# Altium PCB PDM.PcbDoc (part 4 of 4)
Units mm, origin at the board's own origin, x right, y up, seen from the top; angles counter-clockwise.
Board outline 90.17 x 95.89 mm, 6 copper layers (Top Layer (SIG), Layer 1 (GND), Layer 3 (SIG), Layer 4 (PWR), Layer (GND), Bottom Layer (SIG)), stack 0.816 mm thick; 331 components, 196 nets, 1111 pads, 817 vias.
Unrouted connection lines stored in the file: 2.
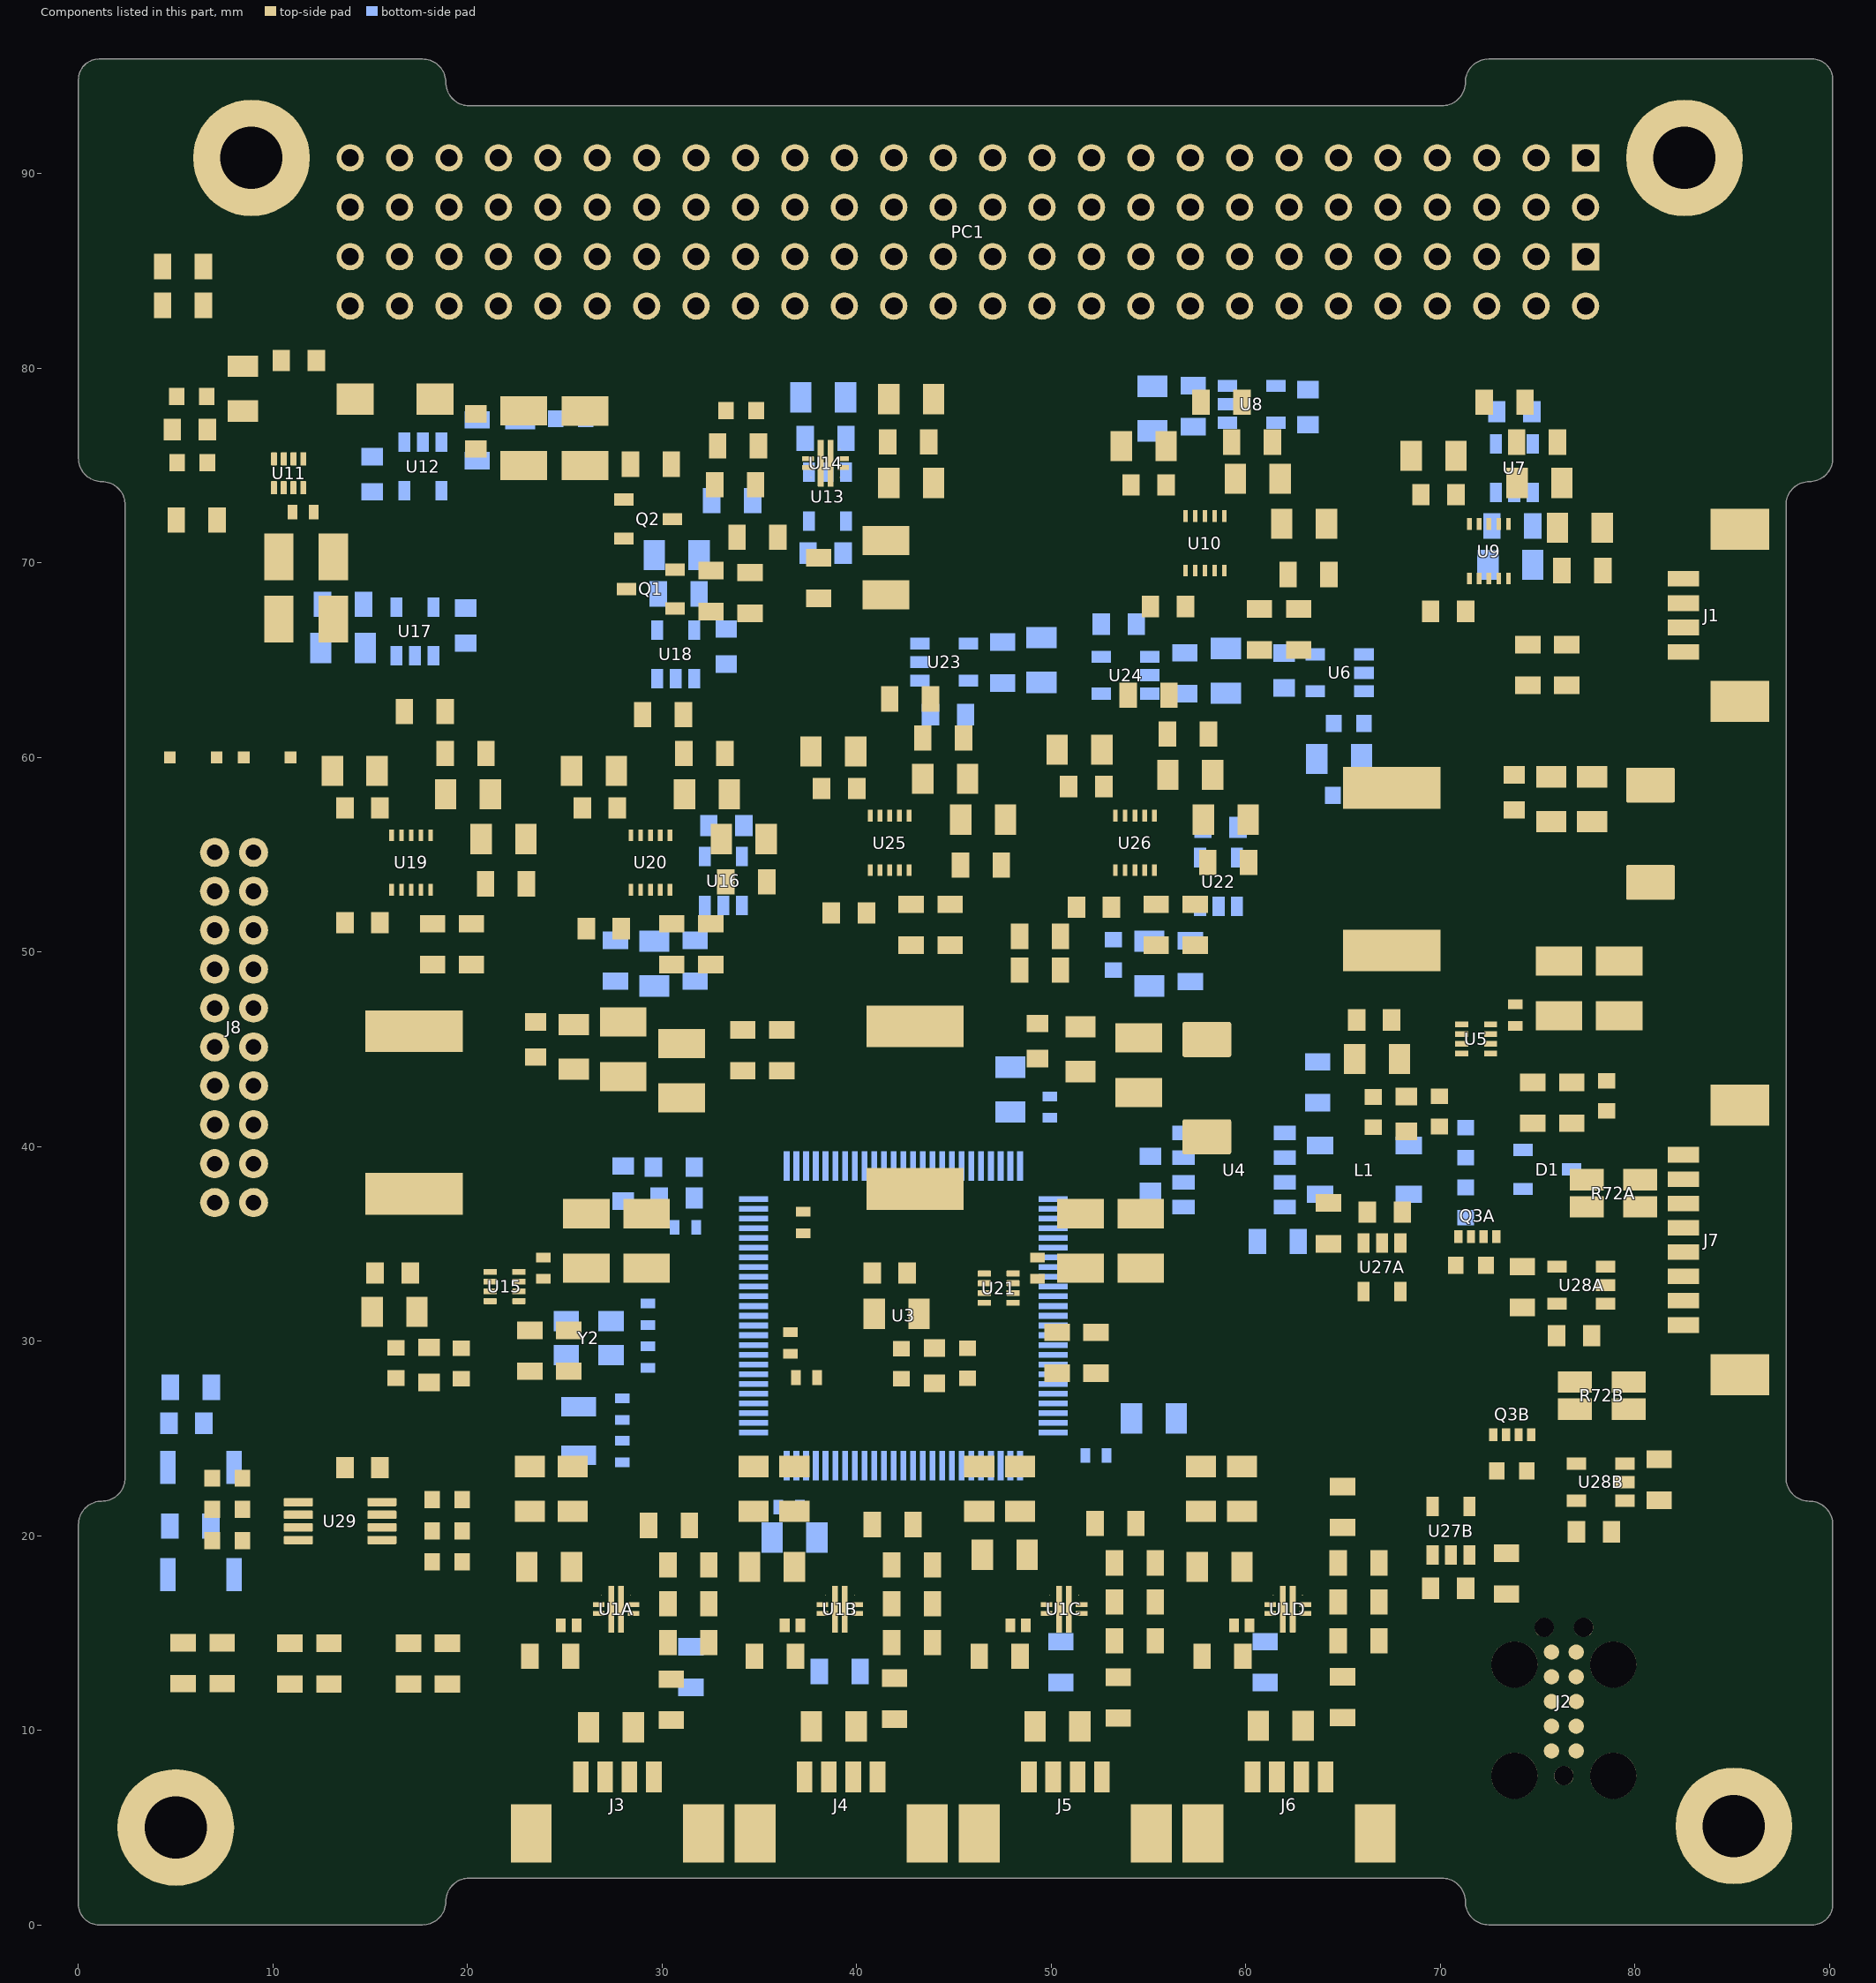
[diagram p8: the components of this part, seen from the top]

## Polygon pours and split planes (outlines as drawn) (continued)
+5V_CH1 on Top Layer (SIG) "Topside Ground" (solid, pour order 24): 40.375,56.7 39.15,57.925 39.15,60.55 38.35,61.35 38.35,63 40.1,63 40.82,62.28 40.82,56.7 40.687,56.7
NetQ3B_D on Top Layer (SIG) "Topside Ground" (solid, pour order 59): 75.725,26.125 75.725,27.2 77.95,27.2 77.95,28.875 71.95,28.875 71.95,26.125
NetJ7_1 on Top Layer (SIG) "Topside Ground" (solid, pour order 58): 80.75,32.475 78.8,30.525 78.8,27.35 80.55,27.35 80.55,29.275 81.7,30.425 83.3,30.425 83.3,32.475 82.553,32.475
NetJ7_7 on Top Layer (SIG) "Topside Ground" (solid, pour order 45): 79.4,37.75 83.3,37.75 83.3,40.25 79.4,40.25 79.4,38.28
VPANEL on Top Layer (SIG) "Topside Ground" (solid, pour order 37): 62.061,26.25 55.5,26.25 55.5,23 56,22.5 60.25,22.5 61.25,21.5 61.25,18.5 61.761,17.989 61.761,16.225 62.061,16.225 62.061,15.903
PANEL3 on Top Layer (SIG) "Topside Ground" (solid, pour order 36): 62.261,7.1 64.5,7.1 64.5,9.1 63.875,9.725 63.875,13.1 62.561,14.414 62.561,15.971 62.261,15.971
PANEL2 on Top Layer (SIG) "Topside Ground" (solid, pour order 35): 50.761,7.1 53,7.1 53,9.1 52.375,9.725 52.375,13.1 51.061,14.414 51.061,15.971 50.761,15.971
PANEL1 on Top Layer (SIG) "Topside Ground" (solid, pour order 32): 39.236,7.1 41.475,7.1 41.475,9.1 40.85,9.725 40.85,13.1 39.536,14.414 39.536,15.971 39.236,15.971
PANEL0 on Top Layer (SIG) "Topside Ground" (solid, pour order 31): 27.736,7.1 29.975,7.1 29.975,9.1 29.35,9.725 29.35,13.1 28.036,14.414 28.036,15.971 27.736,15.971
SYS on Top Layer (SIG) "Topside Ground" (solid, pour order 29): 72.245,45.625 75.54,45.625 77.165,44 84.44,44 84.44,47.825 75.14,47.825 74.54,47.225 74.54,46.825 74.24,46.525 73.64,46.525 73.04,45.925 72.245,45.925
NetC30_1 on Top Layer (SIG) "Topside Ground" (solid, pour order 27): 64.44,49.225 66.44,47.225 68.19,47.225 69.289,46.126 71.425,46.126 71.425,46.279 71.435,46.289 71.435,46.48 70.19,47.725 70.19,51.225 69.69,51.725 64.94,51.725 64.44,51.225
+12V on Top Layer (SIG) "Topside Ground" (solid, pour order 17): 28.78,53.491 28.771,53.5 27.6,53.5 27.2,53.1 27.2,47.3 29.2,47.3 29.2,53.5 28.78,53.5
NetC59_1 on Top Layer (SIG) "Topside Ground" (solid, pour order 13): 14.5,36.5 16.5,34.5 18.25,34.5 19.349,33.401 21.485,33.401 21.485,33.554 21.495,33.564 21.495,33.755 20.25,35 20.25,38.5 19.75,39 15,39 14.5,38.5
+6V_CH1 on Top Layer (SIG) "Topside Ground" (solid, pour order 11): 38.5,71.5 40.25,69.75 45.5,69.75 45.5,73 39.5,73 38.8,73.7 38.8,74.568 38.5,74.568
NetC47_1 on Top Layer (SIG) "Topside Ground" (solid, pour order 8): 11.407,75.007 15.257,75.007 15.75,75.5 15.75,79.25 15.5,79.5 13.5,79.5 13,79 13,77.502 11.397,75.896
+3V3 on Layer 4 (PWR) "+3V3_L04_P136" (solid, remove dead copper, pour order 136): 12.023,0 90.17,0 90.17,95.89 0,95.89 0,0
+12V_CH2 on Layer 4 (PWR) "+12V_CH2_L04_P113" (solid, pour order 113): 27.9,63.4 18.5,63.4 15.7,66.2 15.7,73 12.8,75.9 12.8,86.75 15.2,86.75 15.2,76.551 18,73.751 18,68.8 20.6,66.2 27.9,66.2
SYS on Layer 4 (PWR) "SYS_L04_P122" (solid, pour order 122): 6,52 10,52 10,32.9 85.2,32.9 85.2,47 75,47 75,42.5 81,42.5 81,35 12.5,35 12.5,56.5 6,56.5
SYS on Layer 4 (PWR) "SYS_L04_P125" (solid, pour order 125): 57.9,27.5 53.075,27.5 53.075,34.95 57.9,34.95
SYS on Layer 4 (PWR) "SYS_L04_P123" (solid, pour order 123): 33.3,41.5 33.3,33 35.7,33 35.7,41.5
+6V_CH1 on Layer 4 (PWR) "+6V_CH1_L04_P116" (solid, pour order 116): 45.5,69.75 45.5,73 40,73 35,78 20,78 17.75,80.25 17.75,86.75 15.5,86.75 15.5,79.75 19.25,76 34,76 40.25,69.75
+12V_CH1 on Layer 4 (PWR) "+12V_CH1_L04_P114" (solid, pour order 114): 16.1,64.488 12.512,64.5 11.412,65.6 11.412,85.812 12.7,87.1 14.5,87.1 15.2,87.8 15.2,91.6 14.7,92.1 13.1,92.1 12.4,91.4 12.4,89.4 8.9,85.9 8.9,64.5 13.15,60.25 16.1,60.25
SYS on Bottom Layer (SIG) "SYS_L06_P126" (solid, pour order 126): 6,52.1 10.1,52.1 10.1,56.5 6,56.5
GND on Layer (GND) (split plane): 331 vertices, not listed, extent 0.509,0.509 89.661,95.381
GND on Layer 1 (GND) (split plane): 331 vertices, not listed, extent 0.509,0.509 89.661,95.381

## Silkscreen, mask and mechanical layers (free items; w line width, h text height)
Top Overlay:
  text "DEBUG" at 85.979,73.4 h2 r90
  text "HEATER" at 86.1,44 h2 r90
  text "0" at 31.8,6.721 h2
  text "3" at 66.325,6.722 h2
  text "1" at 43.3,6.7 h2
  text "2" at 54.824,6.7 h2
Bottom Overlay:
  text "SYS" at 13.5,54.731 h1
  text "SYS" at 16.691,54.731 h1
  text "SYS" at 13.5,52.731 h1
  text "SYS" at 16.691,52.731 h1
  text "GND" at 13.5,50.731 h1
  text "GND" at 16.691,50.731 h1
  text "GND" at 13.5,48.731 h1
  text "GND" at 16.691,48.731 h1
  text "INT" at 16.691,46.758 h1
  text "STAT" at 13.5,46.731 h1
  text "QON" at 16.691,44.77 h1
  text "CE" at 13.5,44.731 h1
  text "GND" at 13.5,42.731 h1
  text "GND" at 16.691,42.731 h1
  text "SDA" at 13.5,40.731 h1
  text "SCL" at 16.691,40.731 h1
  text "GND" at 13.5,38.731 h1
  text "VPAN" at 16.691,38.731 h1
  text "GND" at 13.5,36.731 h1
  text "VPAN" at 16.691,36.731 h1
Board:
  lines w0.1: 30.69,2.4 36.55,2.4 ; 53.62,93.49 59.48,93.49 ; 87.77,22.973 ccw(c88.97,22.973) 88.97,21.773 cw(c88.97,20.573) 90.17,20.573 ; 87.77,23.073 87.77,73.073 ; 87.77,72.973 cw(c88.97,72.973) 88.97,74.173 ccw(c88.97,75.373) 90.17,75.373 90.17,94.84 ccw(c89.12,94.84) 89.12,95.89 72.485,95.89 ccw(c72.485,94.69) 71.285,94.69 cw(c70.085,94.69) 70.085,93.49 20.085,93.49 cw(c20.085,94.69) 18.885,94.69 ccw(c17.685,94.69) 17.685,95.89 1.05,95.89 ccw(c1.05,94.84) 0,94.84 0,75.373 ccw(c1.2,75.373) 1.2,74.173 cw(c1.2,72.973) 2.4,72.973 2.4,22.973 cw(c1.2,22.973) 1.2,21.773 ccw(c1.2,20.573) 0,20.573 ; 0,20.573 0,1.05 ccw(c1.05,1.05) 1.05,0 ; 0,20.573 0,20.573 ; 1.05,0 1.05,0 ; 1.05,0 17.685,0 ccw(c17.685,1.2) 18.885,1.2 cw(c20.085,1.2) 20.085,2.4 70.085,2.4 cw(c70.085,1.2) 71.285,1.2 ccw(c72.485,1.2) 72.485,0 89.12,0 ; 89.12,0 ccw(c89.12,1.05) 90.17,1.05 90.17,20.573 ; 89.12,0 89.12,0 ; 90.17,20.573 90.17,20.573
Mechanical 1:
  circle w0.1: c85.09,5.08 r1.6
  circle w0.1: c5,5 r1.6
  circle w0.1: c8.89,90.81 r1.6
  circle w0.1: c82.55,90.81 r1.6
  circle w0.1: c5,5 r3
  circle w0.1: c85.09,5.08 r3
  circle w0.1: c8.89,90.81 r3
  circle w0.1: c82.55,90.81 r3